# KiCad board Marble.kicad_pcb (continued)
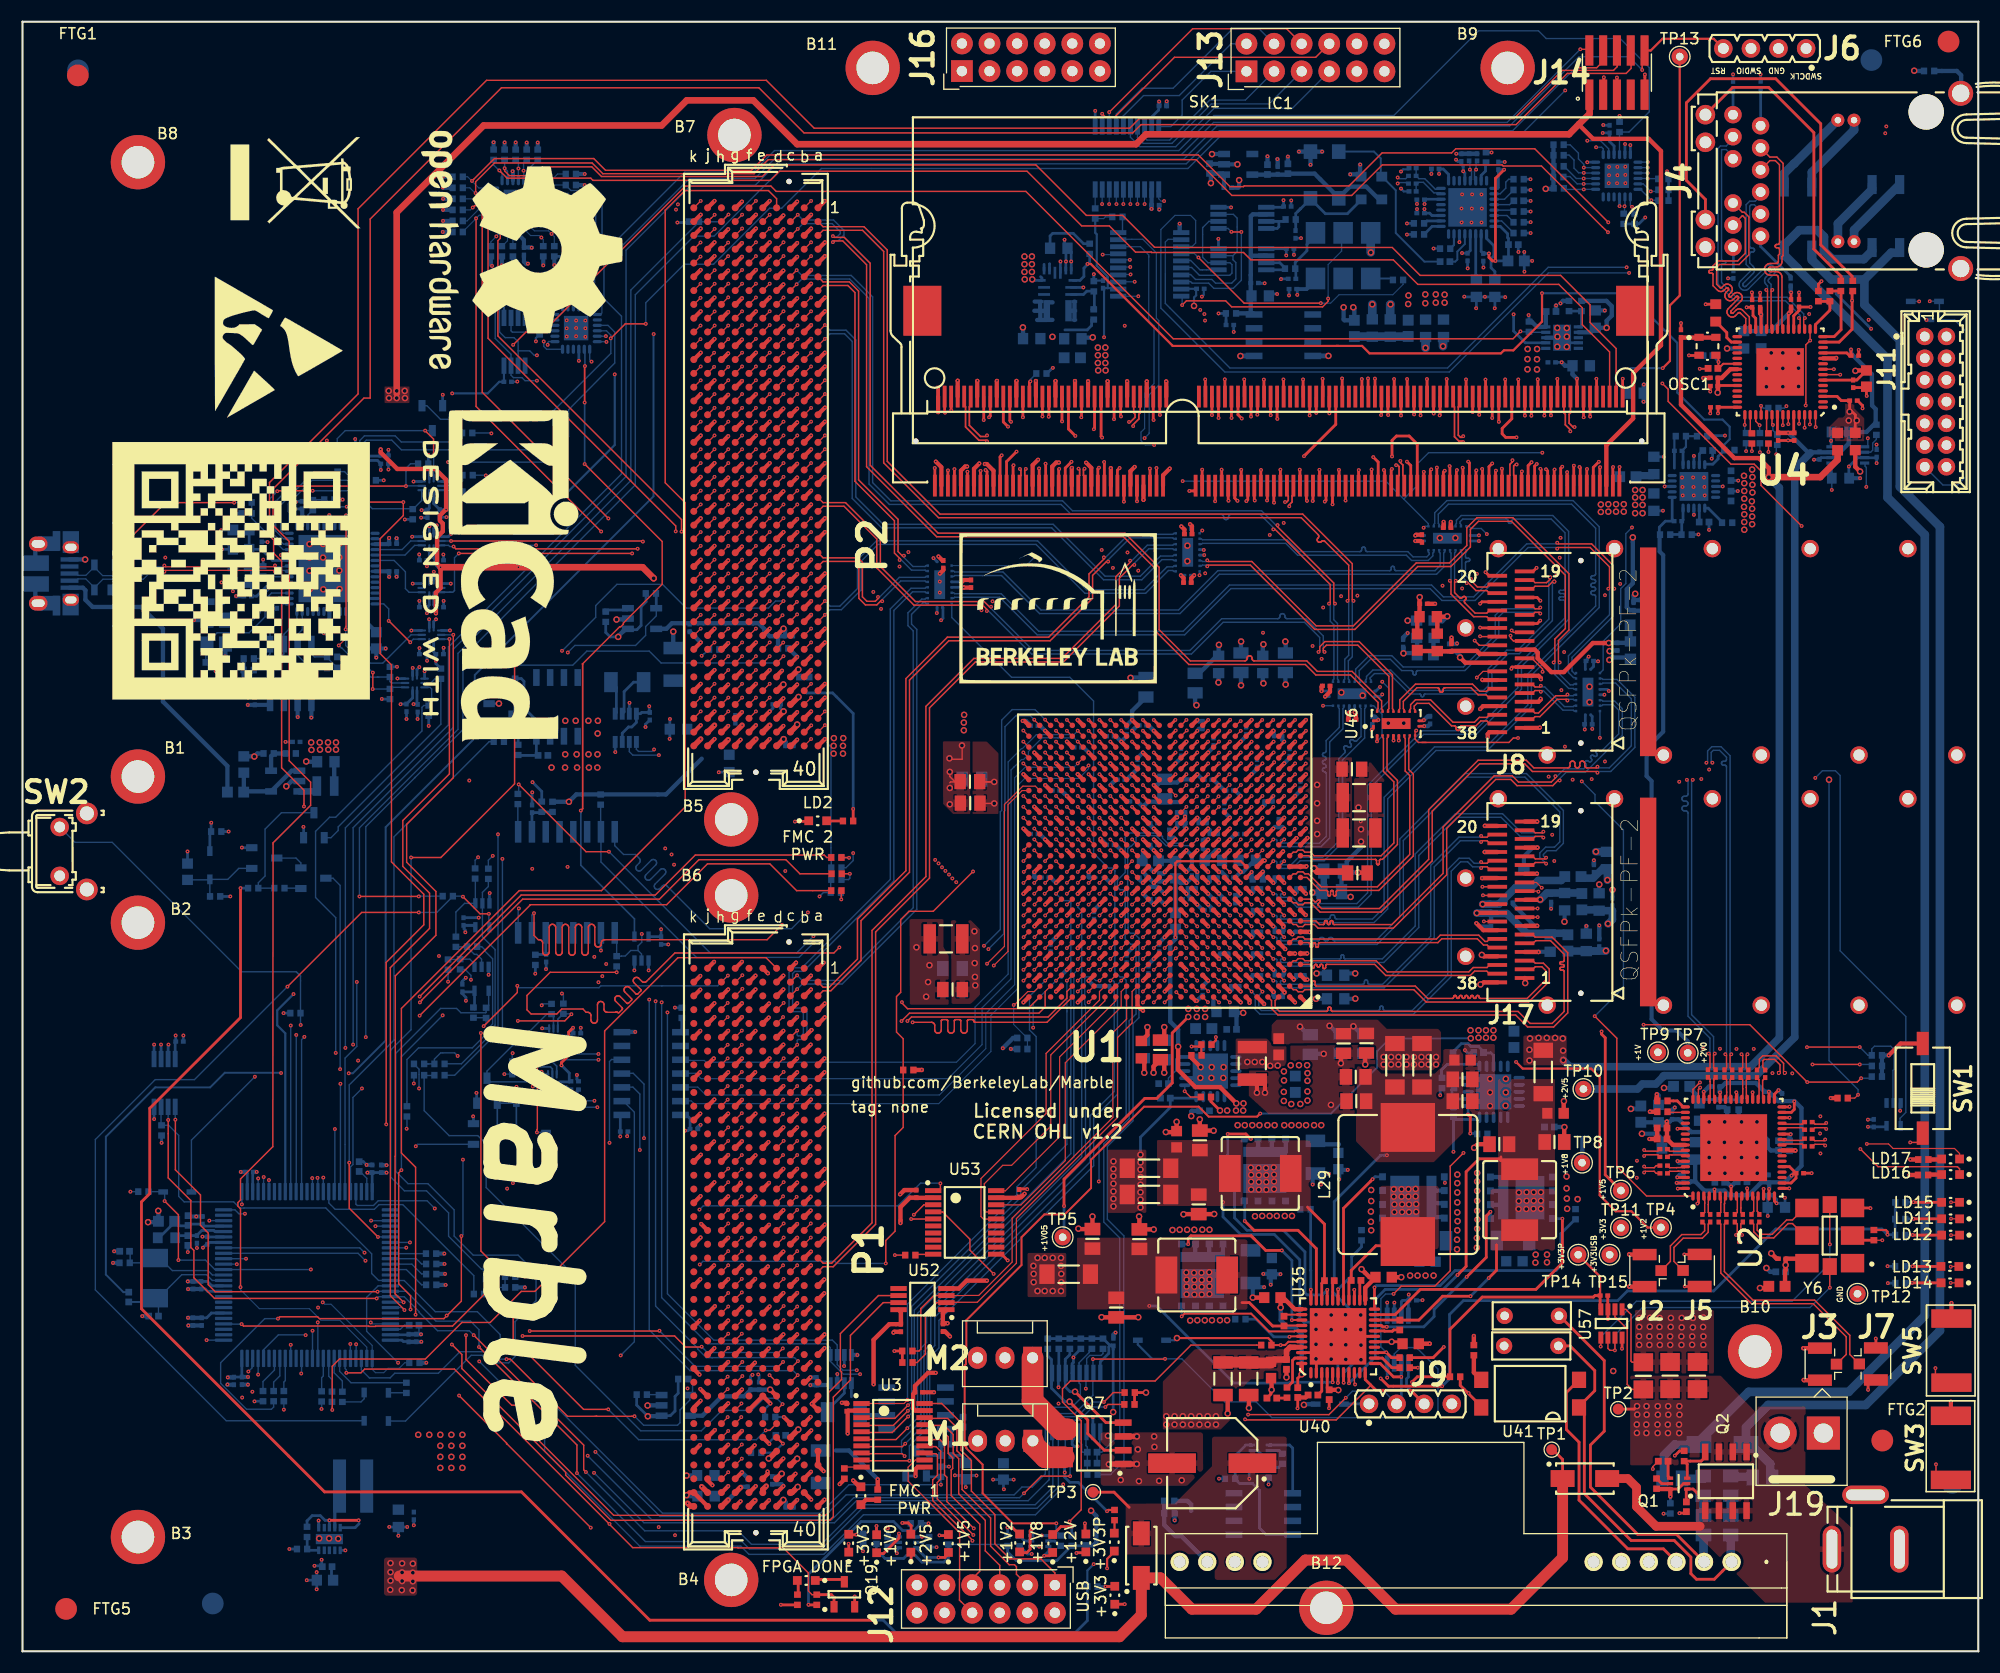
[diagram p0: board, top side]
## Placement (name value [footprint] x y rotation side) (continued)
R182  R1206_0R02_1%_0.5W_100PPM  [RESC3216X80N]  75.59 22.01 180 bottom
R183  R1206_0R02_1%_0.5W_100PPM  [RESC3216X80N]  55.66 89.21 0 bottom
R184  R0402_1K_1%_0.0625W_100PPM  [RESC1005X40N]  115.95 17.72 90 bottom
R188  R0402_10K_1%_0.0625W_100PPM  [RESC1005X40N]  84.53 16.53 90 bottom
R189  R0402_3K6_1%_0.0625W_100PPM  [RESC1005X40N]  130.63 52.31 270 bottom
R190  R0402_0R_JUMPER  [RESC1005X40N]  112.09 30.57 0 bottom
R191  R0402_0R_JUMPER  [RESC1005X40N]  118.08 40.68 0 bottom
R192  R0402_0R_JUMPER  [RESC1005X40N]  123.24 38.29 270 bottom
R193  R0402_0R_JUMPER  [RESC1005X40N]  116.38 23.82 90 top
R194  R0402_0R_JUMPER  [RESC1005X40N]  142.93 40.23 270 bottom
R195  R0402_7K5_1%_0.0625W_100PPM  [RESC1005X40N]  108.96 55.85 180 top
R196  R0402_24K_1%_0.0625W_100PPM  [RESC1005X40N]  108.05 54.85 180 top
R197  R0402_0R_JUMPER  [RESC1005X40N]  105.53 13.83 180 bottom
R198  R0402_0R_JUMPER  [RESC1005X40N]  105.56 12.69 0 bottom
R199  R0402_2K2_1%_0.0625W_100PPM  [RESC1005X40N]  146.98 140.32 270 bottom
R200  R0402_0R_JUMPER  [RESC1005X40N]  26.72 105.5 270 bottom
R201  R0402_10K_1%_0.0625W_100PPM  [RESC1005X40N]  43.84 83.73 0 bottom
R202  R0402_10K_1%_0.0625W_100PPM  [RESC1005X40N]  85.04 18.02 180 bottom
R203  R0402_10K_1%_0.0625W_100PPM  [RESC1005X40N]  45.34 89.07 270 bottom
R204  R0402_10K_1%_0.0625W_100PPM  [RESC1005X40N]  28.5 110.58 0 bottom
R205  R0402_10K_1%_0.0625W_100PPM  [RESC1005X40N]  61.8 131.6 0 bottom
R209  R0402_0R_JUMPER  [RESC1005X40N]  54.68 63.52 90 bottom
R210  R0402_0R_JUMPER  [RESC1005X40N]  45.59 78.45 270 bottom
R212  R0402_82K_1%_0.0625W_100PPM  [RESC1005X40N]  111.14 15.88 180 bottom
R213  R0402_10K_1%_0.0625W_100PPM  [RESC1005X40N]  85.04 19.07 0 bottom
R214  R0402_10K_1%_0.0625W_100PPM  [RESC1005X40N]  45.62 82.97 270 bottom
R215  R0402_0R_JUMPER  [RESC1005X40N]  48.69 59.12 270 bottom
R216  R0402_0R_JUMPER  [RESC1005X40N]  45.54 53.13 0 bottom
R221  R0402_2K2_1%_0.0625W_100PPM  [RESC1005X40N]  92.02 56.46 0 bottom
R222  R0402_2K2_1%_0.0625W_100PPM  [RESC1005X40N]  92.02 55.44 180 bottom
R223  R0402_2K2_1%_0.0625W_100PPM  [RESC1005X40N]  53.21 78.4 270 bottom
R224  R0402_0R_JUMPER  [RESC1005X40N]  47.79 77.74 270 bottom
R225  R0402_0R_JUMPER  [RESC1005X40N]  48.78 77.73 270 bottom
R227  R0402_0R_JUMPER  [RESC1005X40N]  47.2 63.64 90 bottom
R228  R0402_0R_JUMPER  [RESC1005X40N]  45.54 54.27 0 bottom
R229  R0402_0R_JUMPER  [RESC1005X40N]  49.78 59.15 270 bottom
R230  R0402_0R_JUMPER  [RESC1005X40N]  40.97 106.73 0 bottom
R231  R0402_0R_JUMPER  [RESC1005X40N]  40.97 108.26 0 bottom
R232  R0402_0R_JUMPER  [RESC1005X40N]  40.93 110.59 0 bottom
R233  R0402_0R_JUMPER  [RESC1005X40N]  40.93 112.14 0 bottom
R234  R0402_10K_1%_0.0625W_100PPM  [RESC1005X40N]  41.5 58.79 270 bottom
R235  R0402_10K_1%_0.0625W_100PPM  [RESC1005X40N]  78.71 14.42 270 top
R236  R0402_10K_1%_0.0625W_100PPM  [RESC1005X40N]  75.98 76.43 180 top
R237  R0402_0R_JUMPER  [RESC1005X40N]  39.16 63.21 90 bottom
R238  R0402_0R_JUMPER  [RESC1005X40N]  39.89 65.31 270 bottom
R239  R0402_0R_JUMPER  [RESC1005X40N]  36.5 54.07 180 bottom
R240  R0402_0R_JUMPER  [RESC1005X40N]  36.5 53.03 180 bottom
R241  R0402_0R_JUMPER  [RESC1005X40N]  38.38 54.07 180 bottom
R242  R0402_0R_JUMPER  [RESC1005X40N]  38.38 53.03 180 bottom
R245  R0402_1K_1%_0.0625W_100PPM  [RESC1005X40N]  114.47 28.18 180 top
R246  R0402_10K_1%_0.0625W_100PPM  [RESC1005X40N]  45.45 50.87 270 bottom
R247  R0402_10K_1%_0.0625W_100PPM  [RESC1005X40N]  83.44 10.05 90 bottom
R248  R0402_1K_1%_0.0625W_100PPM  [RESC1005X40N]  77.37 10.35 90 bottom
R249  R0402_10K_1%_0.0625W_100PPM  [RESC1005X40N]  78.58 10.35 90 bottom
R250  R0402_10K_1%_0.0625W_100PPM  [RESC1005X40N]  79.63 10.07 270 bottom
R251  R0402_1K_1%_0.0625W_100PPM  [RESC1005X40N]  82.22 11.78 180 bottom
R252  R0402_10K_1%_0.0625W_100PPM  [RESC1005X40N]  85.21 10.3 90 bottom
R253  R0402_10K_1%_0.0625W_100PPM  [RESC1005X40N]  95.55 10.18 270 bottom
R254  R0402_10K_1%_0.0625W_100PPM  [RESC1005X40N]  90.66 10.16 90 bottom
R255  R0402_10K_1%_0.0625W_100PPM  [RESC1005X40N]  91.77 10.15 90 bottom
R256  R0402_10K_1%_0.0625W_100PPM  [RESC1005X40N]  96.57 10.18 90 bottom
R257  R0402_10K_1%_0.0625W_100PPM  [RESC1005X40N]  97.84 10.23 90 bottom
R258  R0402_10K_1%_0.0625W_100PPM  [RESC1005X40N]  57.83 97.37 0 bottom
R259  R0402_1K_1%_0.0625W_100PPM  [RESC1005X40N]  53.68 95.23 90 bottom
R260  R0402_10K_1%_0.0625W_100PPM  [RESC1005X40N]  60.82 25.06 0 bottom
R261  R0402_1K_1%_0.0625W_100PPM  [RESC1005X40N]  56.99 23.63 0 bottom
R262  R0402_10K_1%_0.0625W_100PPM  [RESC1005X40N]  170.62 112.44 270 bottom
R263  R0402_10K_1%_0.0625W_100PPM  [RESC1005X40N]  25.12 58.74 0 bottom
R264  R0402_1K_1%_0.0625W_100PPM  [RESC1005X40N]  172.82 35.44 0 bottom
R265  R0402_1K_1%_0.0625W_100PPM  [RESC1005X40N]  172.84 33.89 0 bottom
R266  R0402_1K_1%_0.0625W_100PPM  [RESC1005X40N]  172.82 38.31 0 bottom
R267  R0402_1K_1%_0.0625W_100PPM  [RESC1005X40N]  172.82 39.78 0 bottom
R268  R0402_1K_1%_0.0625W_100PPM  [RESC1005X40N]  172.83 41.32 0 bottom
R269  R0402_82K_1%_0.0625W_100PPM  [RESC1005X40N]  23.64 70.25 0 bottom
R270  R0402_10K_1%_0.0625W_100PPM  [RESC1005X40N]  17.73 69.48 180 bottom
R271  R0402_10K_1%_0.0625W_100PPM  [RESC1005X40N]  21.23 70.25 180 bottom
R272  R0402_10K_1%_0.0625W_100PPM  [RESC1005X40N]  17.83 75.45 180 bottom
R273  R0402_47K_1%_0.0625W_100PPM  [RESC1005X40N]  38.5 89.98 270 bottom
R274  R0402_0R_JUMPER  [RESC1005X40N]  50.47 129.84 180 bottom
R275  R0402_0R_JUMPER  [RESC1005X40N]  35.38 49.7 270 bottom
R276  R0402_10K_1%_0.0625W_100PPM  [RESC1005X40N]  39.14 69.51 0 bottom
R277  R0402_0R_JUMPER  [RESC1005X40N]  40.28 63.24 90 bottom
R278  R0402_0R_JUMPER  [RESC1005X40N]  41.37 64.86 180 bottom
R279  R0402_0R_JUMPER  [RESC1005X40N]  41.65 71.59 270 bottom
R280  R0402_0R_JUMPER  [RESC1005X40N]  42.87 71.57 270 bottom
R281  R0402_0R_JUMPER  [RESC1005X40N]  133.58 27.71 90 top
R282  R0402_4K7_1%_0.0625W_100PPM  [RESC1005X40N]  74.9 72.13 180 bottom
R283  R0402_1K_1%_0.0625W_100PPM  [RESC1005X40N]  74.88 73.09 0 bottom
R284  R0402_1K_1%_0.0625W_100PPM  [RESC1005X40N]  74.9 71.03 180 bottom
R285  R0402_1K_1%_0.0625W_100PPM  [RESC1005X40N]  74.85 69.84 180 bottom
R286  R0402_0R_JUMPER  [RESC1005X40N]  74.9 73.07 180 top
R287  R0402_0R_JUMPER  [RESC1005X40N]  74.93 71.57 180 top
R288  R0402_0R_JUMPER  [RESC1005X40N]  74.9 70.02 180 top
R289  R0402_0R_JUMPER  [RESC1005X40N]  42.67 34.71 270 bottom
R290  R0402_0R_JUMPER  [RESC1005X40N]  42.01 32.88 180 bottom
R291  R0402_22R_1%_0.0625W_100PPM  [RESC1005X40N]  158.63 111.67 270 bottom
R292  R0402_22R_1%_0.0625W_100PPM  [RESC1005X40N]  161.15 114.44 0 bottom
R293  R0402_22R_1%_0.0625W_100PPM  [RESC1005X40N]  159.17 111.64 270 top
R294  R0402_22R_1%_0.0625W_100PPM  [RESC1005X40N]  159.9 111.67 270 bottom
R295  R0402_22R_1%_0.0625W_100PPM  [RESC1005X40N]  160.69 111.64 270 top
R296  R0402_22R_1%_0.0625W_100PPM  [RESC1005X40N]  161.5 111.51 270 bottom
R297  R0402_10K_1%_0.0625W_100PPM  [RESC1005X40N]  170.67 52.9 0 bottom
R298  R0402_10K_1%_0.0625W_100PPM  [RESC1005X40N]  170.67 53.88 0 bottom
R299  R0402_10K_1%_0.0625W_100PPM  [RESC1005X40N]  170.67 54.86 0 bottom
R300  R0402_10K_1%_0.0625W_100PPM  [RESC1005X40N]  167.52 50.92 180 top
R301  R0402_4K7_1%_0.0625W_100PPM  [RESC1005X40N]  147.37 131.86 90 bottom
R302  R0402_4K7_1%_0.0625W_100PPM  [RESC1005X40N]  148.37 131.86 90 bottom
R303  R0402_4K7_1%_0.0625W_100PPM  [RESC1005X40N]  151.02 133.53 0 bottom
R304  R0402_4K7_1%_0.0625W_100PPM  [RESC1005X40N]  151.02 134.52 0 bottom
R305  R0402_4K7_1%_0.0625W_100PPM  [RESC1005X40N]  151.01 135.53 0 bottom
REF**  -  [WEEE-Logo_8.4x12mm_SilkScreen]  25.12 135.19 270 top
REF**#2  -  [KiCad-Logo2_12mm_SilkScreen]  45.23 99 270 top
REF**#3  -  [ESD-Logo_13.2x12mm_SilkScreen]  23.62 120.03 270 top
REF**#4  -  [OSHW-Logo2_24.3x20mm_SilkScreen]  45.97 129 270 top
REF**#5  -  [OSHW-Logo2_14.6x12mm_SilkScreen]  160.37 92.14 180 bottom
REF**#6  -  [ESD-Logo_13.2x12mm_SilkScreen]  88.44 133.87 0 bottom
REF**#7  -  [WEEE-Logo_8.4x12mm_SilkScreen]  131.16 12.51 180 bottom
REF**#8  -  [KiCad-Logo2_12mm_SilkScreen]  23.24 127.27 90 bottom
SK1  -  [TYCO_2-2013022-1]  115.62 111.39 0 top
SW1  SW_DIP_x01  [SW_OMRON_A6SN-1101]  174.89 51.82 90 top
SW2  SKHHLQA010  [PB_ALPS_SKHHLQA010]  4.67 73.63 0 top
SW3  -  [KSS241GLFS]  177.48 18.72 270 top
SW5  -  [KSS241GLFS]  177.53 27.68 270 top
TP1  TestPoint  [TestPoint_Pad_D1.0mm]  140.74 18.56 0 top
TP2  TestPoint  [TestPoint_Pad_D1.0mm]  146.86 22.29 0 top
TP3  TestPoint  [TestPoint_Pad_D1.0mm]  98.52 14.65 0 top
TP4  TestPoint  [TestPoint_THTPad_D1.5mm_Drill0.7mm]  150.8 39 0 top
TP5  TestPoint  [TestPoint_THTPad_D1.5mm_Drill0.7mm]  95.73 38.12 0 top
TP6  TestPoint  [TestPoint_THTPad_D1.5mm_Drill0.7mm]  147.11 42.41 0 top
TP7  TestPoint  [TestPoint_THTPad_D1.5mm_Drill0.7mm]  153.26 55.08 0 top
TP8  TestPoint  [TestPoint_THTPad_D1.5mm_Drill0.7mm]  143.53 44.97 0 top
TP9  TestPoint  [TestPoint_THTPad_D1.5mm_Drill0.7mm]  150.52 55.13 0 top
TP10  TestPoint  [TestPoint_THTPad_D1.5mm_Drill0.7mm]  143.66 51.76 0 top
TP11  TestPoint  [TestPoint_THTPad_D1.5mm_Drill0.7mm]  147.11 38.98 0 top
TP12  TestPoint  [TestPoint_THTPad_D1.5mm_Drill0.7mm]  168.88 32.91 0 top
TP13  TestPoint  [TestPoint_THTPad_D1.5mm_Drill0.7mm]  152.52 146.79 0 top
TP14  TestPoint  [TestPoint_THTPad_D1.5mm_Drill0.7mm]  143.18 36.5 0 top
TP15  TestPoint  [TestPoint_THTPad_D1.5mm_Drill0.7mm]  146.07 36.5 0 top
U1  XC7K160T-2FFG676C  [BGA676C100P26X26_2700X2700X260]  105.12 72.73 180 top
U2  ADN4600ACPZ  [QFN50P900X900X100-65N-S615]  157.49 46.36 90 top
U3  TXB0108PW  [SOP65P640X120-20N]  80.12 19.88 0 top
U4  88E1512-A0-NNP2I000  [QFN50P800X800X100-57N-S437]  161.77 117.76 180 top
U5  TCA9548ARGER  [QFN50P400X400X100-25N-S220]  45.39 133.44 0 bottom
U6  TXS0102DCUR  [SOP50P310X90-8N]  167.99 110.12 0 bottom
U7  NC7SZ66P5X  [SOT65P210X110-5N]  42.33 67.74 270 bottom
U8  SN74AVC2T245RSWR  [QFN40P140X180X55-10N]  48.87 56.43 0 bottom
U9  SN74AVC2T245RSWR  [QFN40P140X180X55-10N]  48.77 52.21 0 bottom
U10  NC7SZ66P5X  [SOT65P210X110-5N]  42.25 61.9 270 bottom
U11  SN74LVC1G125DCKT  [SOT65P210X110-5N]  56.97 64.68 90 bottom
U12  TXB0108PW  [SOP65P640X120-20N]  101.65 137.46 90 bottom
U13  LP5951MF-3.0/NOPB  [SOT95P284X122-5N]  111.89 136.87 0 bottom
U14  LM336M-2.5  [SOIC127P600X175-8N]  116.05 121.14 180 bottom
U15  SN74AVC2T245RSWR  [QFN40P140X180X55-10N]  37.64 97.88 270 bottom
U16  AD5662BRMZ-1  [SOP65P490X110-8N]  112.27 128.14 180 bottom
U17  INA219BIDCNT  [SOT65P280X145-8N]  75.31 25.97 90 bottom
U18  TPS62175DQC  [SON50P200X300X80-11N-R94X250]  28.24 10.33 90 bottom
U19  AD5662BRMZ-1  [SOP65P490X110-8N]  112.27 131.95 180 bottom
U20  CDCM61004RHBT  [QFN50P500X500X100-33N-S355]  133 132.91 270 bottom
U21  M93C46-WMN6TP  [SOIC127P600X175-8N]  24.69 90.01 270 bottom
U22  TLV62565DBVT  [SOT95P280X145-5N]  24.18 80.1 180 bottom
U23  FT4232H-56Q  [QFN50P800X800X100-57N-S620]  28.5 99.66 0 bottom
U24  SN74AVC2T245RSWR  [QFN40P140X180X55-10N]  36.1 89.13 270 bottom
U25  SN74AVC2T245RSWR  [QFN40P140X180X55-10N]  37.64 93.56 270 bottom
U26  SN74AVC2T245RSWR  [QFN40P140X180X55-10N]  37.64 107.28 270 bottom
U27  MAX6639AEE+  [SOP63P600X175-16N]  96.97 22.9 270 bottom
U28  LM75AIMM/NOPB  [SOP65P490X109-8N]  13.08 52.31 90 bottom
U29  LM75AIMM/NOPB  [SOP65P490X109-8N]  126.58 28.69 90 bottom
U30  S25FL128SAGMFIR01  [SOIC127P1030X265-16N]  50.06 70.78 270 bottom
U31  TPS51200DRC  [TEXAS_DRC(S-PVSON-N10)]  141.7 120.91 180 bottom
U32  INA219BIDCNT  [SOT65P280X145-8N]  55.52 85 270 bottom
U33  SN74AVC2T245RSWR  [QFN40P140X180X55-10N]  31.04 109.82 0 bottom
U34  PCA9555AHF,128  [QFN50P400X400X80-25N-S225]  146.73 135.82 180 bottom
U35  XRP7724ILBTR-F  [QFN50P700X700X80-45N-S520]  121.08 28.99 90 top
U36  TPS74401RGWT  [QFN65P500X500X100-21N-S325]  135.39 51.49 180 bottom
U37  TPS74401RGWT  [QFN65P500X500X100-21N-S325]  109.32 53.41 180 bottom
U38  SN74AVC2T245RSWR  [QFN40P140X180X55-10N]  37.64 102.2 270 bottom
U39  PCA9555AHF,128  [QFN50P400X400X80-25N-S225]  50.95 121.8 180 bottom
U40  -  [AG5300]  132.28 10.23 180 top
U41  FOD817DSD  [FAIRCHILD_FOD817DSD]  138.75 23.71 180 top
U42  TXB0108PW  [SOP65P640X120-20N]  103.74 127.66 0 bottom
U43  MIC2090-1YM5TR  [SOT95P280X145-5N]  60.12 22.63 0 bottom
U44  PI3DBS12212AZBSEX  [PERICOM_ZBS20]  84.41 98.19 180 bottom
U45  PI3DBS12212AZBSEX  [PERICOM_ZBS20]  107.24 101.16 180 bottom
U46  PI3DBS12212AZBSEX  [PERICOM_ZBS20]  126.43 85.4 90 top
U47  TPS7A8901RTJT  [QFN50P400X400X100-21N-S265]  153.83 107.22 180 bottom
U48  PI3DBS12212AZBSEX  [PERICOM_ZBS20]  122.36 88.14 90 bottom
U49  PI3DBS12212AZBSEX  [PERICOM_ZBS20]  144.08 88.29 180 bottom
U50  PI3DBS12212AZBSEX  [PERICOM_ZBS20]  131.14 102.45 270 bottom
U51  TXB0104D  [SOIC127P600X175-14N]  57.86 53.18 0 bottom
U52  TCA9517DGKR  [SOP65P490X110-8N]  82.83 32.42 180 top
U53  TXB0108PW  [SOP65P640X120-20N]  86.71 39.47 0 top
U54  STM32F207VCTx  [LQFP-100_14x14mm_P0.5mm]  26.18 34.64 0 bottom
U55  MIC2090-1YM5TR  [SOT95P280X145-5N]  57.02 95.06 0 bottom
U56  74AHC1G04GW  [SOT65P212X110-5N]  172.21 49.42 270 bottom
U57  INA219BIDCNT  [SOT65P280X145-8N]  146.24 30.17 270 top
U58  MPM3830GQV-P  [MPM3830GQVP]  95.27 124.64 180 bottom
U59  TCA9517DGKR  [SOP65P490X110-8N]  45.29 120.54 270 bottom
Y1  OSC_25MHZ_RAKON_IVT3205CR  [OSC_ABRACON_ASEMPC]  124.15 134.69 0 bottom
Y2  VM53S3-25.000-2.5/-30+75  [OSCCC320X500X160-4N]  119.84 135.9 0 bottom
Y3  OSC_20MHZ_IQD_LFVCXO026156  [OSC_IQD_CFPV-45]  121.54 128.47 270 bottom
Y4  XTAL_12MHZ_TXC_7M-12.000MAAJ-T  [XTAL_TXC_7M]  17.83 93.82 180 bottom
Y5  XTAL_8MHZ_TXC_7A-8.000MAAE-T  [XTAL_TXC_7A]  12.19 34.35 90 bottom
Y6  OSC_10-280MHZ_SILICON-LAB_Si570BBC000121DG  [OSC_SILICON-LAB_SI570]  166.33 38.27 180 top

## Footprints (pads in the part's own frame, mm; a bottom-side part is the same pattern mirrored in y, then rotated)
641119-2
  rect 3.048x3.048 hole 1.778: 1(-1.981,-0.75)
  round 3.048 hole 1.778: 2(2,-0.75)
AG5300
  round 1.68 hole 1.12: 1(-25.02,2) 2(-22.48,2) 3(-19.94,2) 4(-17.4,2) 5(-14.86,2) 6(-12.32,2) 7(18.16,2) 8(20.7,2) 9(23.24,2) 10(25.78,2)
BELFUSE_0826-1X1T-80-F
  round 3.25 hole 3.25 unplated: (-6.35,16.51) (6.35,16.51)
  round 1.6 hole 0.9: 1(-5.075,1.27) 2(-3.045,1.27) 3(-1.015,1.27) 4(1.016,1.27) 5(3.048,1.27) 6(5.08,1.27) 7(-6.095,-1.27) 8(-4.065,-1.27) 9(-2.035,-1.27) 10(2.032,-1.27) 11(4.064,-1.27) 12(6.096,-1.27)
  round 1.2 hole 0.6: 13(-5.59,8.38) 14(5.59,8.38) 15(-5.59,9.87) 16(5.59,9.87)
  round 1.8 hole 1.1: 17(-6.096,-3.81) 18(-3.556,-3.81) 19(3.556,-3.81) 20(6.096,-3.81)
  round 2.3 hole 1.6: 21(-8.065,19.685) 22(8.065,19.685)
BGA676C100P26X26_2700X2700X260
  round 0.5 smd: A1(-12.5,12.5) A2(-11.5,12.5) A3(-10.5,12.5) A4(-9.5,12.5) A5(-8.5,12.5) A6(-7.5,12.5) A7(-6.5,12.5) A8(-5.5,12.5) A9(-4.5,12.5) A10(-3.5,12.5) A11(-2.5,12.5) A12(-1.5,12.5) A13(-0.5,12.5) A14(0.5,12.5) A15(1.5,12.5) A16(2.5,12.5) A17(3.5,12.5) A18(4.5,12.5) A19(5.5,12.5) A20(6.5,12.5) A21(7.5,12.5) A22(8.5,12.5) A23(9.5,12.5) A24(10.5,12.5) A25(11.5,12.5) A26(12.5,12.5) AA1(-12.5,-7.5) AA2(-11.5,-7.5) AA3(-10.5,-7.5) AA4(-9.5,-7.5) AA5(-8.5,-7.5) AA6(-7.5,-7.5) AA7(-6.5,-7.5) AA8(-5.5,-7.5) AA9(-4.5,-7.5) AA10(-3.5,-7.5) AA11(-2.5,-7.5) AA12(-1.5,-7.5) AA13(-0.5,-7.5) AA14(0.5,-7.5) AA15(1.5,-7.5) AA16(2.5,-7.5) AA17(3.5,-7.5) AA18(4.5,-7.5) AA19(5.5,-7.5) AA20(6.5,-7.5) AA21(7.5,-7.5) AA22(8.5,-7.5) AA23(9.5,-7.5) AA24(10.5,-7.5) AA25(11.5,-7.5) AA26(12.5,-7.5) AB1(-12.5,-8.5) AB2(-11.5,-8.5) AB3(-10.5,-8.5) AB4(-9.5,-8.5) AB5(-8.5,-8.5) AB6(-7.5,-8.5) AB7(-6.5,-8.5) AB8(-5.5,-8.5) AB9(-4.5,-8.5) AB10(-3.5,-8.5) AB11(-2.5,-8.5) AB12(-1.5,-8.5) AB13(-0.5,-8.5) AB14(0.5,-8.5) AB15(1.5,-8.5) AB16(2.5,-8.5) AB17(3.5,-8.5) AB18(4.5,-8.5) AB19(5.5,-8.5) AB20(6.5,-8.5) AB21(7.5,-8.5) AB22(8.5,-8.5) AB23(9.5,-8.5) AB24(10.5,-8.5) AB25(11.5,-8.5) AB26(12.5,-8.5) AC1(-12.5,-9.5) AC2(-11.5,-9.5) AC3(-10.5,-9.5) AC4(-9.5,-9.5) AC5(-8.5,-9.5) AC6(-7.5,-9.5) AC7(-6.5,-9.5) AC8(-5.5,-9.5) AC9(-4.5,-9.5) AC10(-3.5,-9.5) AC11(-2.5,-9.5) AC12(-1.5,-9.5) AC13(-0.5,-9.5) AC14(0.5,-9.5) AC15(1.5,-9.5) AC16(2.5,-9.5) AC17(3.5,-9.5) AC18(4.5,-9.5) AC19(5.5,-9.5) AC20(6.5,-9.5) AC21(7.5,-9.5) AC22(8.5,-9.5) AC23(9.5,-9.5) AC24(10.5,-9.5) AC25(11.5,-9.5) AC26(12.5,-9.5) AD1(-12.5,-10.5) AD2(-11.5,-10.5) AD3(-10.5,-10.5) AD4(-9.5,-10.5) AD5(-8.5,-10.5) AD6(-7.5,-10.5) AD7(-6.5,-10.5) AD8(-5.5,-10.5) AD9(-4.5,-10.5) AD10(-3.5,-10.5) AD11(-2.5,-10.5) AD12(-1.5,-10.5) AD13(-0.5,-10.5) AD14(0.5,-10.5) AD15(1.5,-10.5) AD16(2.5,-10.5) AD17(3.5,-10.5) AD18(4.5,-10.5) AD19(5.5,-10.5) AD20(6.5,-10.5) AD21(7.5,-10.5) AD22(8.5,-10.5) AD23(9.5,-10.5) AD24(10.5,-10.5) AD25(11.5,-10.5) AD26(12.5,-10.5) AE1(-12.5,-11.5) AE2(-11.5,-11.5) AE3(-10.5,-11.5) AE4(-9.5,-11.5) AE5(-8.5,-11.5) AE6(-7.5,-11.5) AE7(-6.5,-11.5) AE8(-5.5,-11.5) AE9(-4.5,-11.5) AE10(-3.5,-11.5) AE11(-2.5,-11.5) AE12(-1.5,-11.5) AE13(-0.5,-11.5) AE14(0.5,-11.5) AE15(1.5,-11.5) AE16(2.5,-11.5) AE17(3.5,-11.5) AE18(4.5,-11.5) AE19(5.5,-11.5) AE20(6.5,-11.5) AE21(7.5,-11.5) AE22(8.5,-11.5) AE23(9.5,-11.5) AE24(10.5,-11.5) AE25(11.5,-11.5) AE26(12.5,-11.5) AF1(-12.5,-12.5) AF2(-11.5,-12.5) AF3(-10.5,-12.5) AF4(-9.5,-12.5) AF5(-8.5,-12.5) AF6(-7.5,-12.5) AF7(-6.5,-12.5) AF8(-5.5,-12.5) AF9(-4.5,-12.5) AF10(-3.5,-12.5) AF11(-2.5,-12.5) AF12(-1.5,-12.5) AF13(-0.5,-12.5) AF14(0.5,-12.5) AF15(1.5,-12.5) AF16(2.5,-12.5) AF17(3.5,-12.5) AF18(4.5,-12.5) AF19(5.5,-12.5) AF20(6.5,-12.5) AF21(7.5,-12.5) AF22(8.5,-12.5) AF23(9.5,-12.5) AF24(10.5,-12.5) AF25(11.5,-12.5) AF26(12.5,-12.5) B1(-12.5,11.5) B2(-11.5,11.5) B3(-10.5,11.5) B4(-9.5,11.5) B5(-8.5,11.5) B6(-7.5,11.5) B7(-6.5,11.5) B8(-5.5,11.5) B9(-4.5,11.5) B10(-3.5,11.5) B11(-2.5,11.5) B12(-1.5,11.5) B13(-0.5,11.5) B14(0.5,11.5) B15(1.5,11.5) B16(2.5,11.5) B17(3.5,11.5) B18(4.5,11.5) B19(5.5,11.5) B20(6.5,11.5) B21(7.5,11.5) B22(8.5,11.5) B23(9.5,11.5) B24(10.5,11.5) B25(11.5,11.5) B26(12.5,11.5) C1(-12.5,10.5) C2(-11.5,10.5) C3(-10.5,10.5) C4(-9.5,10.5) C5(-8.5,10.5) C6(-7.5,10.5) C7(-6.5,10.5) C8(-5.5,10.5) C9(-4.5,10.5) C10(-3.5,10.5) C11(-2.5,10.5) C12(-1.5,10.5) C13(-0.5,10.5) C14(0.5,10.5) C15(1.5,10.5) C16(2.5,10.5) C17(3.5,10.5) C18(4.5,10.5) C19(5.5,10.5) C20(6.5,10.5) C21(7.5,10.5) C22(8.5,10.5) C23(9.5,10.5) C24(10.5,10.5) C25(11.5,10.5) C26(12.5,10.5) D1(-12.5,9.5) D2(-11.5,9.5) D3(-10.5,9.5) D4(-9.5,9.5) D5(-8.5,9.5) D6(-7.5,9.5) D7(-6.5,9.5) D8(-5.5,9.5) D9(-4.5,9.5) D10(-3.5,9.5) D11(-2.5,9.5) D12(-1.5,9.5) D13(-0.5,9.5) D14(0.5,9.5) D15(1.5,9.5) D16(2.5,9.5) D17(3.5,9.5) D18(4.5,9.5) D19(5.5,9.5) D20(6.5,9.5) D21(7.5,9.5) D22(8.5,9.5) D23(9.5,9.5) D24(10.5,9.5) D25(11.5,9.5) D26(12.5,9.5) E1(-12.5,8.5) E2(-11.5,8.5) E3(-10.5,8.5) E4(-9.5,8.5) E5(-8.5,8.5) E6(-7.5,8.5) E7(-6.5,8.5) E8(-5.5,8.5) E9(-4.5,8.5) E10(-3.5,8.5) E11(-2.5,8.5) E12(-1.5,8.5) E13(-0.5,8.5) E14(0.5,8.5) E15(1.5,8.5) E16(2.5,8.5) E17(3.5,8.5) E18(4.5,8.5) E19(5.5,8.5) E20(6.5,8.5) E21(7.5,8.5) E22(8.5,8.5) E23(9.5,8.5) E24(10.5,8.5) E25(11.5,8.5) E26(12.5,8.5) F1(-12.5,7.5) F2(-11.5,7.5) F3(-10.5,7.5) F4(-9.5,7.5) F5(-8.5,7.5) F6(-7.5,7.5) F7(-6.5,7.5) F8(-5.5,7.5) F9(-4.5,7.5) F10(-3.5,7.5) F11(-2.5,7.5) F12(-1.5,7.5) F13(-0.5,7.5) F14(0.5,7.5) F15(1.5,7.5) F16(2.5,7.5) F17(3.5,7.5) F18(4.5,7.5) F19(5.5,7.5) F20(6.5,7.5) F21(7.5,7.5) F22(8.5,7.5) F23(9.5,7.5) F24(10.5,7.5) F25(11.5,7.5) F26(12.5,7.5) G1(-12.5,6.5) G2(-11.5,6.5) G3(-10.5,6.5) G4(-9.5,6.5) G5(-8.5,6.5) G6(-7.5,6.5) G7(-6.5,6.5) G8(-5.5,6.5) G9(-4.5,6.5) G10(-3.5,6.5) G11(-2.5,6.5) G12(-1.5,6.5) G13(-0.5,6.5) G14(0.5,6.5) G15(1.5,6.5) G16(2.5,6.5) G17(3.5,6.5) G18(4.5,6.5) G19(5.5,6.5) G20(6.5,6.5) G21(7.5,6.5) G22(8.5,6.5) G23(9.5,6.5) G24(10.5,6.5) G25(11.5,6.5) G26(12.5,6.5) H1(-12.5,5.5) H2(-11.5,5.5) H3(-10.5,5.5) H4(-9.5,5.5) H5(-8.5,5.5) H6(-7.5,5.5) H7(-6.5,5.5) H8(-5.5,5.5) H9(-4.5,5.5) H10(-3.5,5.5) H11(-2.5,5.5) H12(-1.5,5.5) H13(-0.5,5.5) H14(0.5,5.5) H15(1.5,5.5) H16(2.5,5.5) H17(3.5,5.5) H18(4.5,5.5) H19(5.5,5.5) H20(6.5,5.5) H21(7.5,5.5) H22(8.5,5.5) H23(9.5,5.5) H24(10.5,5.5) H25(11.5,5.5) H26(12.5,5.5) J1(-12.5,4.5) J2(-11.5,4.5) J3(-10.5,4.5) J4(-9.5,4.5) J5(-8.5,4.5) J6(-7.5,4.5) J7(-6.5,4.5) J8(-5.5,4.5) J9(-4.5,4.5) J10(-3.5,4.5) J11(-2.5,4.5) J12(-1.5,4.5) J13(-0.5,4.5) J14(0.5,4.5) J15(1.5,4.5) J16(2.5,4.5) J17(3.5,4.5) J18(4.5,4.5) J19(5.5,4.5) J20(6.5,4.5) J21(7.5,4.5) J22(8.5,4.5) J23(9.5,4.5) J24(10.5,4.5) J25(11.5,4.5) J26(12.5,4.5) K1(-12.5,3.5) K2(-11.5,3.5) K3(-10.5,3.5) K4(-9.5,3.5) K5(-8.5,3.5) K6(-7.5,3.5) K7(-6.5,3.5) K8(-5.5,3.5) K9(-4.5,3.5) K10(-3.5,3.5) K11(-2.5,3.5) K12(-1.5,3.5) K13(-0.5,3.5) K14(0.5,3.5) K15(1.5,3.5) K16(2.5,3.5) K17(3.5,3.5) K18(4.5,3.5) K19(5.5,3.5) K20(6.5,3.5) K21(7.5,3.5) K22(8.5,3.5) K23(9.5,3.5) K24(10.5,3.5) K25(11.5,3.5) K26(12.5,3.5) L1(-12.5,2.5) L2(-11.5,2.5) L3(-10.5,2.5) L4(-9.5,2.5) L5(-8.5,2.5) L6(-7.5,2.5) L7(-6.5,2.5) L8(-5.5,2.5) L9(-4.5,2.5) L10(-3.5,2.5) L11(-2.5,2.5) L12(-1.5,2.5) L13(-0.5,2.5) L14(0.5,2.5) L15(1.5,2.5) L16(2.5,2.5) L17(3.5,2.5) L18(4.5,2.5) L19(5.5,2.5) L20(6.5,2.5) L21(7.5,2.5) L22(8.5,2.5) L23(9.5,2.5) L24(10.5,2.5) L25(11.5,2.5) L26(12.5,2.5) M1(-12.5,1.5) M2(-11.5,1.5) M3(-10.5,1.5) M4(-9.5,1.5) M5(-8.5,1.5) M6(-7.5,1.5) M7(-6.5,1.5) M8(-5.5,1.5) M9(-4.5,1.5) M10(-3.5,1.5) M11(-2.5,1.5) M12(-1.5,1.5) M13(-0.5,1.5) M14(0.5,1.5) M15(1.5,1.5) M16(2.5,1.5) M17(3.5,1.5) M18(4.5,1.5) M19(5.5,1.5) M20(6.5,1.5) M21(7.5,1.5) M22(8.5,1.5) M23(9.5,1.5) M24(10.5,1.5) M25(11.5,1.5) M26(12.5,1.5) N1(-12.5,0.5) N2(-11.5,0.5) N3(-10.5,0.5) N4(-9.5,0.5) N5(-8.5,0.5) N6(-7.5,0.5) N7(-6.5,0.5) N8(-5.5,0.5) N9(-4.5,0.5) N10(-3.5,0.5) N11(-2.5,0.5) N12(-1.5,0.5) N13(-0.5,0.5) N14(0.5,0.5) N15(1.5,0.5) N16(2.5,0.5) N17(3.5,0.5) N18(4.5,0.5) N19(5.5,0.5) N20(6.5,0.5) N21(7.5,0.5) N22(8.5,0.5) N23(9.5,0.5) N24(10.5,0.5) N25(11.5,0.5) N26(12.5,0.5) P1(-12.5,-0.5) P2(-11.5,-0.5) P3(-10.5,-0.5) P4(-9.5,-0.5) P5(-8.5,-0.5) P6(-7.5,-0.5) P7(-6.5,-0.5) P8(-5.5,-0.5) P9(-4.5,-0.5) P10(-3.5,-0.5) P11(-2.5,-0.5) P12(-1.5,-0.5) P13(-0.5,-0.5) P14(0.5,-0.5) P15(1.5,-0.5) P16(2.5,-0.5) P17(3.5,-0.5) P18(4.5,-0.5) P19(5.5,-0.5) P20(6.5,-0.5) P21(7.5,-0.5) P22(8.5,-0.5) P23(9.5,-0.5) P24(10.5,-0.5) P25(11.5,-0.5) P26(12.5,-0.5) R1(-12.5,-1.5) R2(-11.5,-1.5) R3(-10.5,-1.5) R4(-9.5,-1.5) R5(-8.5,-1.5) R6(-7.5,-1.5) R7(-6.5,-1.5) R8(-5.5,-1.5) R9(-4.5,-1.5) R10(-3.5,-1.5) R11(-2.5,-1.5) R12(-1.5,-1.5) R13(-0.5,-1.5) R14(0.5,-1.5) R15(1.5,-1.5) R16(2.5,-1.5) R17(3.5,-1.5) R18(4.5,-1.5) R19(5.5,-1.5) R20(6.5,-1.5) R21(7.5,-1.5) R22(8.5,-1.5) R23(9.5,-1.5) R24(10.5,-1.5) R25(11.5,-1.5) R26(12.5,-1.5) T1(-12.5,-2.5) T2(-11.5,-2.5) T3(-10.5,-2.5) T4(-9.5,-2.5) T5(-8.5,-2.5) T6(-7.5,-2.5) T7(-6.5,-2.5) T8(-5.5,-2.5) T9(-4.5,-2.5) T10(-3.5,-2.5) T11(-2.5,-2.5) T12(-1.5,-2.5) T13(-0.5,-2.5) T14(0.5,-2.5) T15(1.5,-2.5) T16(2.5,-2.5) T17(3.5,-2.5) T18(4.5,-2.5) T19(5.5,-2.5) T20(6.5,-2.5) T21(7.5,-2.5) T22(8.5,-2.5) T23(9.5,-2.5) T24(10.5,-2.5) T25(11.5,-2.5) T26(12.5,-2.5) U1(-12.5,-3.5) U2(-11.5,-3.5) U3(-10.5,-3.5) U4(-9.5,-3.5) U5(-8.5,-3.5) U6(-7.5,-3.5) U7(-6.5,-3.5) U8(-5.5,-3.5) U9(-4.5,-3.5) U10(-3.5,-3.5) U11(-2.5,-3.5) U12(-1.5,-3.5) U13(-0.5,-3.5) U14(0.5,-3.5) U15(1.5,-3.5) U16(2.5,-3.5) U17(3.5,-3.5) U18(4.5,-3.5) U19(5.5,-3.5) U20(6.5,-3.5) U21(7.5,-3.5) U22(8.5,-3.5) U23(9.5,-3.5) U24(10.5,-3.5) U25(11.5,-3.5) U26(12.5,-3.5) V1(-12.5,-4.5) V2(-11.5,-4.5) V3(-10.5,-4.5) V4(-9.5,-4.5) V5(-8.5,-4.5) V6(-7.5,-4.5) V7(-6.5,-4.5) V8(-5.5,-4.5) V9(-4.5,-4.5) V10(-3.5,-4.5) V11(-2.5,-4.5) V12(-1.5,-4.5) V13(-0.5,-4.5) V14(0.5,-4.5) V15(1.5,-4.5) V16(2.5,-4.5) V17(3.5,-4.5) V18(4.5,-4.5) V19(5.5,-4.5) V20(6.5,-4.5) V21(7.5,-4.5) V22(8.5,-4.5) V23(9.5,-4.5) V24(10.5,-4.5) V25(11.5,-4.5) V26(12.5,-4.5) W1(-12.5,-5.5) W2(-11.5,-5.5) W3(-10.5,-5.5) W4(-9.5,-5.5) W5(-8.5,-5.5) W6(-7.5,-5.5) W7(-6.5,-5.5) W8(-5.5,-5.5) W9(-4.5,-5.5) W10(-3.5,-5.5) W11(-2.5,-5.5) W12(-1.5,-5.5) W13(-0.5,-5.5) W14(0.5,-5.5) W15(1.5,-5.5) W16(2.5,-5.5) W17(3.5,-5.5) W18(4.5,-5.5) W19(5.5,-5.5) W20(6.5,-5.5) W21(7.5,-5.5) W22(8.5,-5.5) W23(9.5,-5.5) W24(10.5,-5.5) W25(11.5,-5.5) W26(12.5,-5.5) Y1(-12.5,-6.5) Y2(-11.5,-6.5) Y3(-10.5,-6.5) Y4(-9.5,-6.5) Y5(-8.5,-6.5) Y6(-7.5,-6.5) Y7(-6.5,-6.5) Y8(-5.5,-6.5) Y9(-4.5,-6.5) Y10(-3.5,-6.5) Y11(-2.5,-6.5) Y12(-1.5,-6.5) Y13(-0.5,-6.5) Y14(0.5,-6.5) Y15(1.5,-6.5) Y16(2.5,-6.5) Y17(3.5,-6.5) Y18(4.5,-6.5) Y19(5.5,-6.5) Y20(6.5,-6.5) Y21(7.5,-6.5) Y22(8.5,-6.5) Y23(9.5,-6.5) Y24(10.5,-6.5) Y25(11.5,-6.5) Y26(12.5,-6.5)
CAPAE830X1020N
  rect 4.4x1.8 smd: 1(-3.7,0) 2(3.7,0)
CAPC0603X33N
  rect 0.45x0.4 smd: 1(-0.35,0) 2(0.35,0)
CAPC1005X55N
  rect 0.62x0.62 smd: 1(-0.45,0) 2(0.45,0)
CAPC1608X87N
  rect 0.95x1 smd: 1(-0.8,0) 2(0.8,0)
CAPC1608X90N
  rect 0.95x0.95 smd: 1(-0.75,0) 2(0.75,0)
CAPC1709X95N
  rect 0.95x1 smd: 1(-0.75,0) 2(0.75,0)
CAPC1709X100N
  rect 0.95x1.05 smd: 1(-0.8,0) 2(0.8,0)
CAPC2012X135N
  rect 1.05x1.4 smd: 1(-0.9,0) 2(0.9,0)
CAPC2012X140N
  rect 1.15x1.45 smd: 1(-0.9,0) 2(0.9,0)
CAPC3216X140N
  rect 1.15x1.8 smd: 1(-1.5,0) 2(1.5,0)
CAPC3216X180N
  rect 1.15x1.8 smd: 1(-1.5,0) 2(1.5,0)
CAPC3225X270N
  rect 1.15x2.7 smd: 1(-1.5,0) 2(1.5,0)
CAPR500-250X720X650
  round 1.5 hole 0.8: 1(-2.5,0) 2(2.5,0)
CLIFF_FC68148(DC-10A)
  rrect 4.3x1.7 hole 3.6x1: 1(0,6.2) 3(0,0)
  rrect 1.7x4.3 hole 1x3.6: 2(5,3.1)
DIOM5127X229N
  rect 2.2x1.55 smd: 1(-2.05,0) 2(2.05,0)
DIOM5226X262N
  rect 2.3x1.55 smd: 1(-2.15,0) 2(2.15,0)
FAIRCHILD_FOD817DSD
  rect 1.3x1.5 smd: 1(-4.5,1.27) 2(-4.5,-1.27) 3(4.5,-1.27) 4(4.5,1.27)
FAIRCHILD_MLP08P
  rect 0.63x0.65 smd: 1(-2.845,1.905) 2(-2.845,0.635) 3(-2.845,-0.635) 4(-2.845,-1.905) 5(2.845,-1.905) 6(2.845,-0.635) 7(2.845,0.635) 8(2.845,1.905)
  rect 2.67x4 smd: 9(0.795,0)
  rect 0.92x4 smd: 10(-1.66,0)
FanPinHeader_1x03_P2.54mm_Vertical
  rect 1.73x2.03 hole 1.02: 1(0,0)